# KiCad board PAMI_Mainboard_2024_v1.kicad_pcb
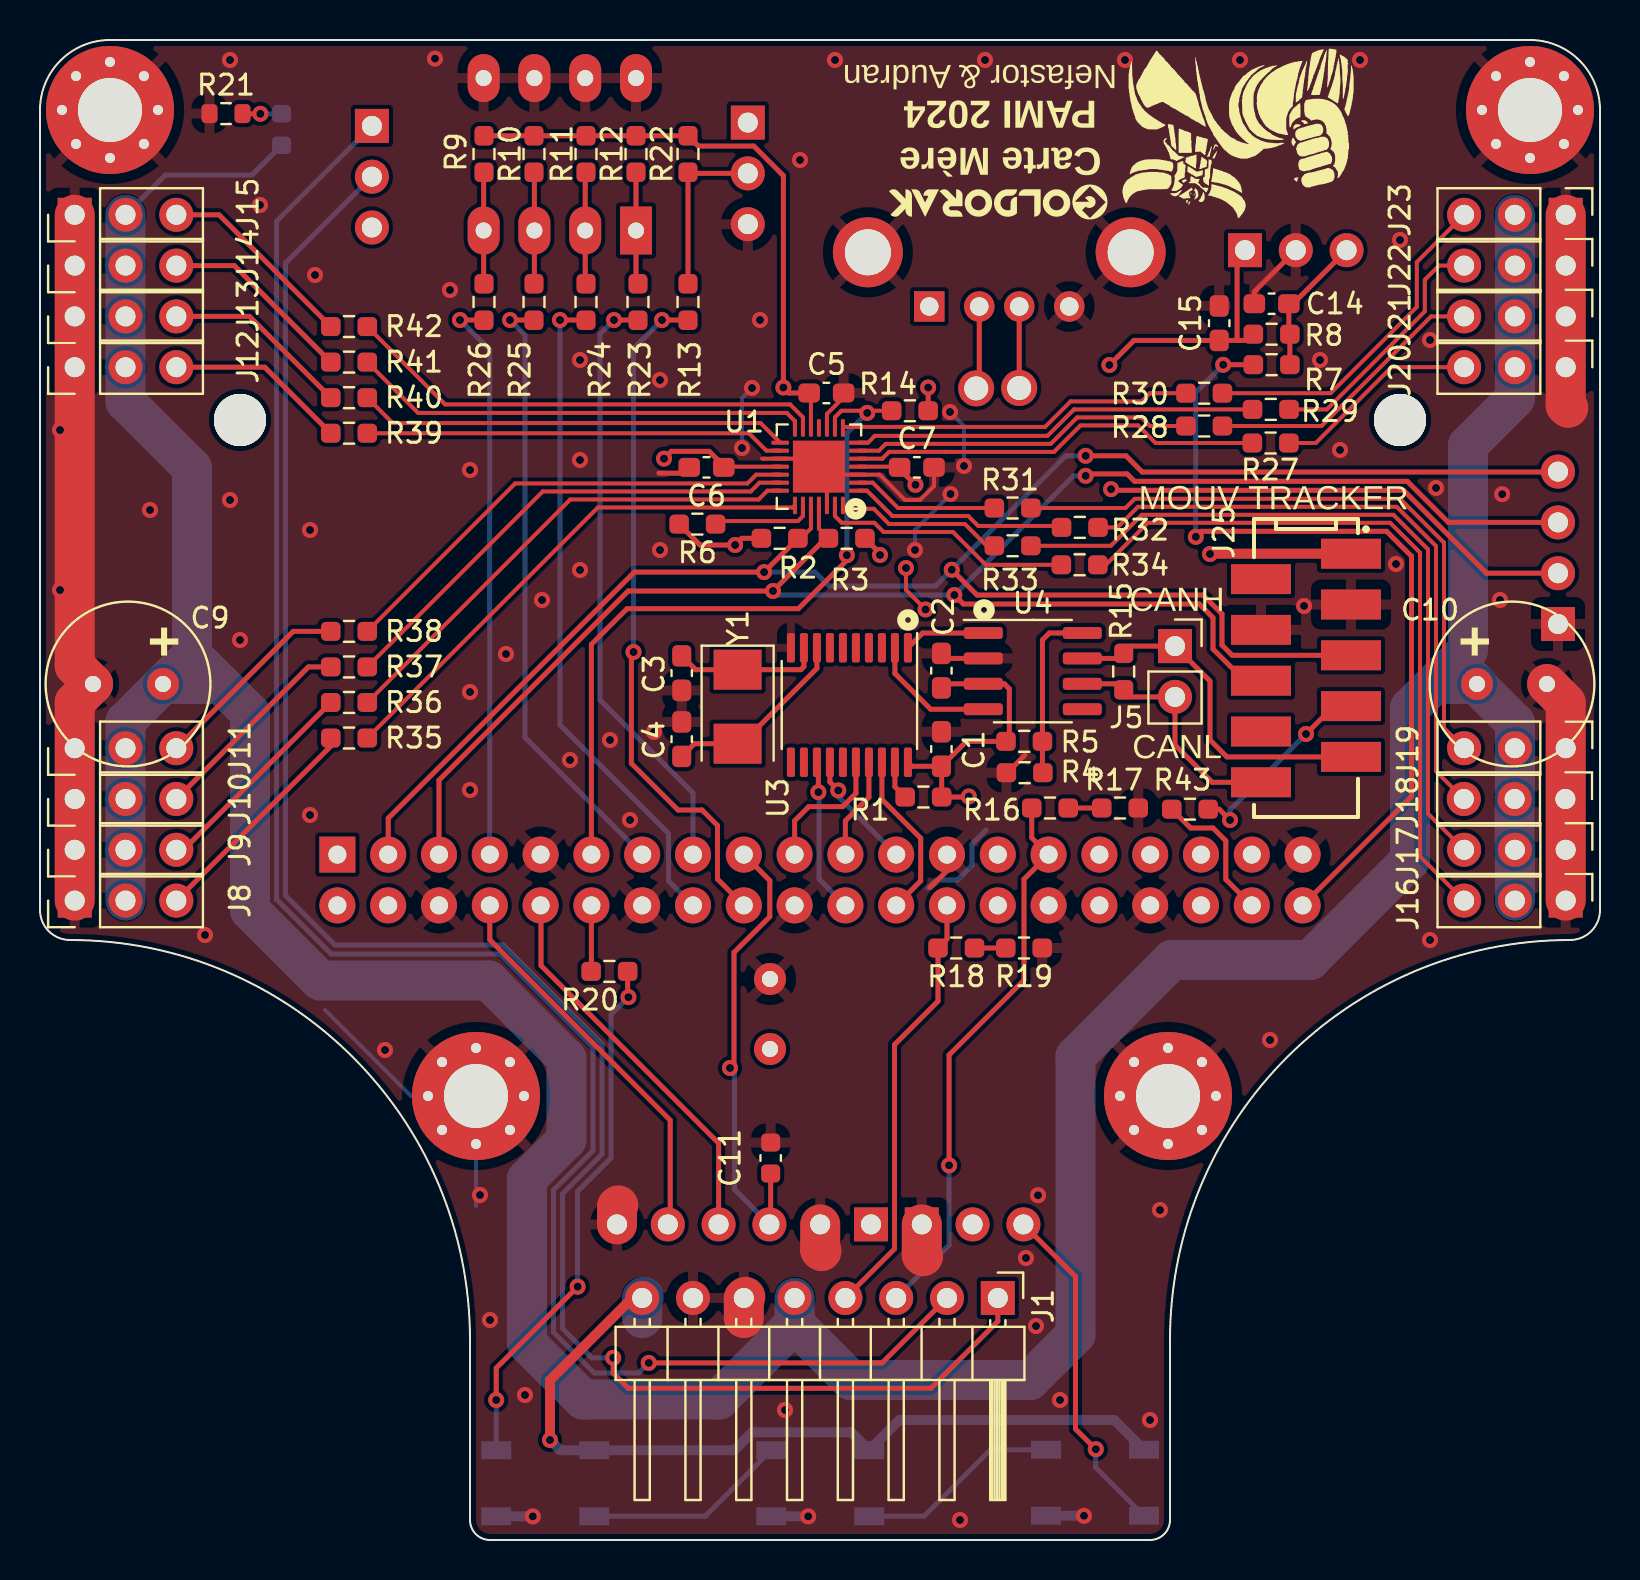
[diagram p0: board, top side]
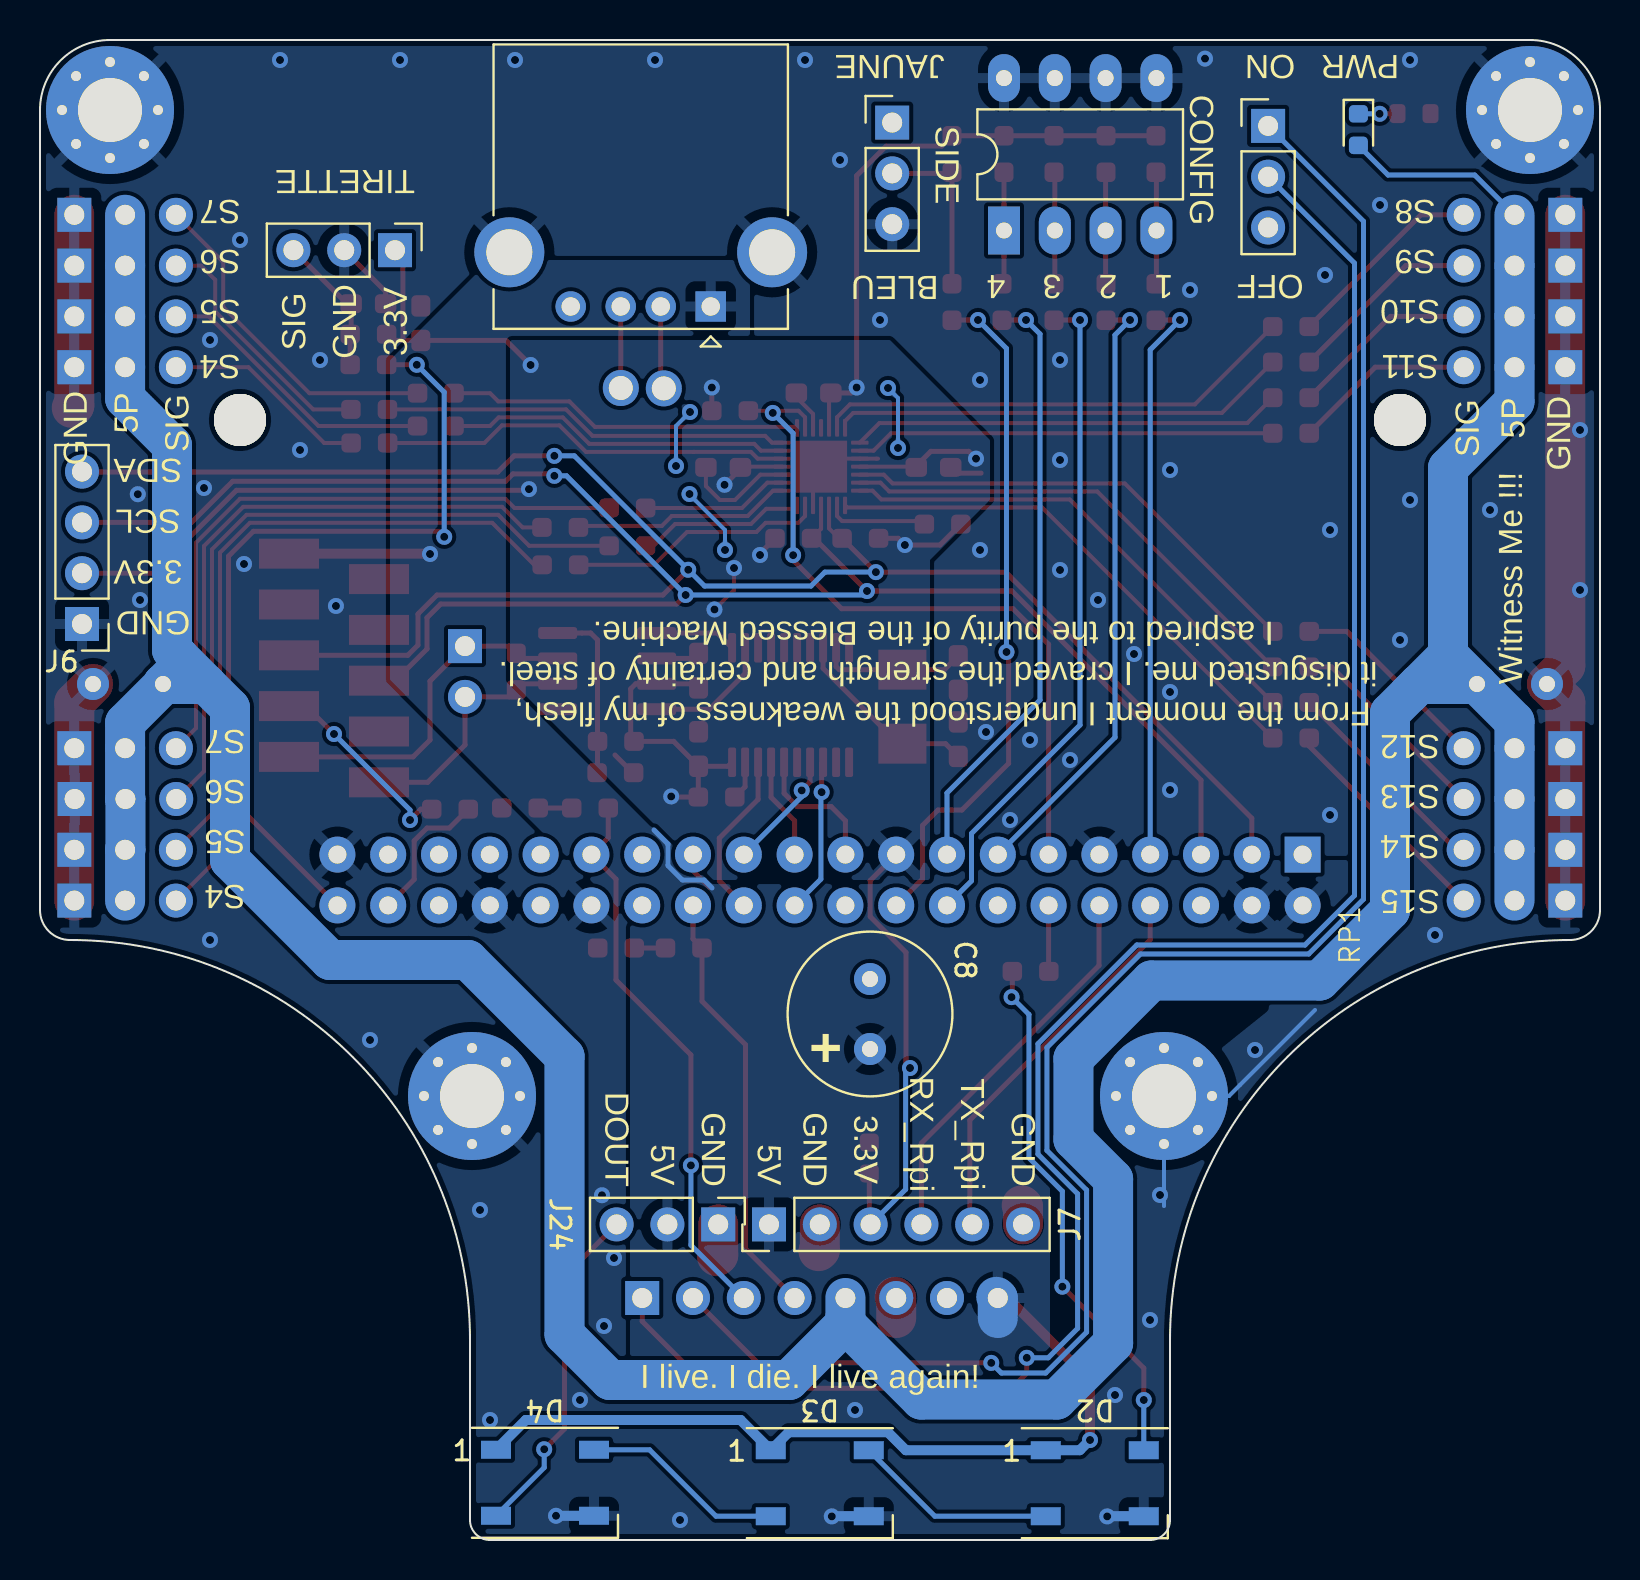
[diagram p1: board, bottom side, seen from below]

Outline 78 x 75 mm; copper layers: Top, Bottom. Coordinates in mm from the lower left corner of the outline.
Outline path: 0,71.5 0,31.5 arc(0.44,30.44) 1.5,30 arc(15.64,24.14) 21.5,10 21.5,1 arc(21.79,0.29) 22.5,0 55.5,0 arc(56.21,0.29) 56.5,1 56.5,10 arc(62.36,24.14) 76.5,30 arc(77.56,30.44) 78,31.5 78,71.5 arc(76.97,73.97) 74.5,75 3.5,75 arc(1.03,73.97) 0,71.5
Stack: Top 0.035mm / dielectric 1.51mm FR4 er 4.5 / Bottom 0.035mm

## Placement (name value [footprint] x y rotation side)
C1  100nF  [C_0603_1608Metric_Pad1.08x0.95mm_HandSolder]  45.07 39.55 90 top
C2  100nF  [C_0603_1608Metric_Pad1.08x0.95mm_HandSolder]  45.07 43.47 90 top
C3  22pF  [C_0603_1608Metric_Pad1.08x0.95mm_HandSolder]  32.09 40.04 90 top
C4  22pF  [C_0603_1608Metric_Pad1.08x0.95mm_HandSolder]  32.09 43.34 270 top
C5  100nF  [C_0603_1608Metric_Pad1.08x0.95mm_HandSolder]  39.32 57.35 0 top
C6  100nF  [C_0603_1608Metric_Pad1.08x0.95mm_HandSolder]  33.32 53.63 180 top
C7  100nF  [C_0603_1608Metric_Pad1.08x0.95mm_HandSolder]  43.84 53.63 0 top
C8  470uF  [C_Radial_D8.0mm_H11.5mm_P3.50mm]  36.5 24.55 90 bottom
C9  470uF  [C_Radial_D8.0mm_H11.5mm_P3.50mm]  6.15 42.8 180 top
C10  470uF  [C_Radial_D8.0mm_H11.5mm_P3.50mm]  71.85 42.8 0 top
C11  100nF  [C_0603_1608Metric]  36.53 19.1 90 top
C14  100nF  [C_0603_1608Metric_Pad1.08x0.95mm_HandSolder]  61.58 61.81 180 top
C15  100nF  [C_0603_1608Metric_Pad1.08x0.95mm_HandSolder]  58.96 60.84 90 top
D1  LED  [LED_0603_1608Metric]  12.08 70.52 270 bottom
D2  WS2812B  [LED_WS2812B_PLCC4_5.0x5.0mm_P3.2mm]  25.26 2.84 180 bottom
D3  WS2812B  [LED_WS2812B_PLCC4_5.0x5.0mm_P3.2mm]  39.01 2.84 180 bottom
D4  WS2812B  [LED_WS2812B_PLCC4_5.0x5.0mm_P3.2mm]  52.75 2.86 180 bottom
G***  -  [LOGO]  60 70.25 180 top
G***#2  -  [LOGO]  47.89 66.9 180 top
H1  MountingHole_Pad  [MountingHole_3.2mm_M3_Pad_Via]  21.8 22.2 0 top
H2  MountingHole_Pad  [MountingHole_3.2mm_M3_Pad_Via]  56.4 22.2 0 top
H3  MountingHole_Pad  [MountingHole_3.2mm_M3_Pad_Via]  74.5 71.5 0 top
H4  MountingHole_Pad  [MountingHole_3.2mm_M3_Pad_Via]  3.5 71.5 0 top
J1  Conn_01x08  [PinHeader_1x08_P2.54mm_Horizontal]  47.89 12.1 270 top
J2  Conn_01x03  [PinHeader_1x03_P2.54mm_Vertical]  60.25 64.49 270 bottom
J3  USB_A  [USB_A_CONNFLY_DS1095-WNR0]  44.46 61.68 0 bottom
J4  Conn_01x03  [PinHeader_1x03_P2.54mm_Vertical]  35.39 70.87 180 bottom
J5  Conn_01x02  [PinSocket_1x02_P2.54mm_Vertical]  56.75 44.69 0 top
J6  Conn_01x04  [PinHeader_1x04_P2.54mm_Vertical]  75.9 45.8 0 bottom
J7  Conn_01x03  [PinHeader_1x03_P2.54mm_Vertical]  44.09 15.78 270 bottom
J8  Conn_01x03  [PinHeader_1x03_P2.54mm_Vertical]  1.74 31.97 90 top
J9  Conn_01x03  [PinHeader_1x03_P2.54mm_Vertical]  1.74 34.51 90 top
J10  Conn_01x03  [PinHeader_1x03_P2.54mm_Vertical]  1.74 37.05 90 top
J11  Conn_01x03  [PinHeader_1x03_P2.54mm_Vertical]  1.74 39.59 90 top
J12  Conn_01x03  [PinHeader_1x03_P2.54mm_Vertical]  1.74 58.64 90 top
J13  Conn_01x03  [PinHeader_1x03_P2.54mm_Vertical]  1.74 61.18 90 top
J14  Conn_01x03  [PinHeader_1x03_P2.54mm_Vertical]  1.74 63.72 90 top
J15  Conn_01x03  [PinHeader_1x03_P2.54mm_Vertical]  1.74 66.26 90 top
J16  Conn_01x03  [PinHeader_1x03_P2.54mm_Vertical]  76.28 31.97 270 top
J17  Conn_01x03  [PinHeader_1x03_P2.54mm_Vertical]  76.28 34.51 270 top
J18  Conn_01x03  [PinHeader_1x03_P2.54mm_Vertical]  76.27 37.05 270 top
J19  Conn_01x03  [PinHeader_1x03_P2.54mm_Vertical]  76.28 39.59 270 top
J20  Conn_01x03  [PinHeader_1x03_P2.54mm_Vertical]  76.28 58.64 270 top
J21  Conn_01x03  [PinHeader_1x03_P2.54mm_Vertical]  76.28 61.18 270 top
J22  Conn_01x03  [PinHeader_1x03_P2.54mm_Vertical]  76.28 63.72 270 top
J23  Conn_01x03  [PinHeader_1x03_P2.54mm_Vertical]  76.28 66.26 270 top
J24  Conn_01x06  [PinHeader_1x06_P2.54mm_Vertical]  41.55 15.78 90 bottom
J25  Conn_02x05_Odd_Even  [690367281076]  63.3 43.6 270 top
R1  10K  [R_0603_1608Metric_Pad0.98x0.95mm_HandSolder]  44.17 37.15 0 top
R2  10K  [R_0603_1608Metric_Pad0.98x0.95mm_HandSolder]  36.98 50.08 180 top
R3  10K  [R_0603_1608Metric_Pad0.98x0.95mm_HandSolder]  40.34 50.08 0 top
R4  10K  [R_0603_1608Metric_Pad0.98x0.95mm_HandSolder]  49.21 39.93 180 top
R5  10K  [R_0603_1608Metric_Pad0.98x0.95mm_HandSolder]  49.23 38.36 0 top
R6  10K  [R_0603_1608Metric_Pad0.98x0.95mm_HandSolder]  32.87 50.8 180 top
R7  68  [R_0603_1608Metric_Pad0.98x0.95mm_HandSolder]  61.58 58.77 180 top
R8  10K  [R_0603_1608Metric_Pad0.98x0.95mm_HandSolder]  61.58 60.29 180 top
R9  10K  [R_0603_1608Metric_Pad0.98x0.95mm_HandSolder]  22.2 69.3 90 top
R10  10K  [R_0603_1608Metric_Pad0.98x0.95mm_HandSolder]  24.7 69.3 90 top
R11  10K  [R_0603_1608Metric_Pad0.98x0.95mm_HandSolder]  27.3 69.3 90 top
R12  10K  [R_0603_1608Metric_Pad0.98x0.95mm_HandSolder]  29.8 69.3 90 top
R13  1K  [R_0603_1608Metric_Pad0.98x0.95mm_HandSolder]  32.4 61.9 270 top
R14  10K  [R_0603_1608Metric_Pad0.98x0.95mm_HandSolder]  43.5 56.46 0 top
R15  120  [R_0603_1608Metric_Pad0.98x0.95mm_HandSolder]  54.18 43.42 90 top
R16  10K  [R_0603_1608Metric_Pad0.98x0.95mm_HandSolder]  50.5 36.6 180 top
R17  10K  [R_0603_1608Metric_Pad0.98x0.95mm_HandSolder]  54 36.6 180 top
R18  10K  [R_0603_1608Metric_Pad0.98x0.95mm_HandSolder]  45.81 29.6 180 top
R19  10K  [R_0603_1608Metric_Pad0.98x0.95mm_HandSolder]  49.2 29.6 180 top
R20  68  [R_0603_1608Metric_Pad0.98x0.95mm_HandSolder]  28.47 28.43 180 top
R21  1K  [R_0603_1608Metric]  9.3 71.32 0 top
R22  10K  [R_0603_1608Metric_Pad0.98x0.95mm_HandSolder]  32.4 69.3 90 top
R23  1K  [R_0603_1608Metric_Pad0.98x0.95mm_HandSolder]  29.9 61.9 270 top
R24  1K  [R_0603_1608Metric_Pad0.98x0.95mm_HandSolder]  27.3 61.9 270 top
R25  1K  [R_0603_1608Metric_Pad0.98x0.95mm_HandSolder]  24.7 61.9 270 top
R26  1K  [R_0603_1608Metric_Pad0.98x0.95mm_HandSolder]  22.2 61.9 270 top
R27  1K  [R_0603_1608Metric_Pad0.98x0.95mm_HandSolder]  61.53 54.85 0 top
R28  1K  [R_0603_1608Metric_Pad0.98x0.95mm_HandSolder]  58.21 55.7 0 top
R29  1K  [R_0603_1608Metric_Pad0.98x0.95mm_HandSolder]  61.54 56.53 0 top
R30  1K  [R_0603_1608Metric_Pad0.98x0.95mm_HandSolder]  58.21 57.34 0 top
R31  1K  [R_0603_1608Metric_Pad0.98x0.95mm_HandSolder]  48.63 51.6 0 top
R32  1K  [R_0603_1608Metric_Pad0.98x0.95mm_HandSolder]  51.99 50.63 0 top
R33  1K  [R_0603_1608Metric_Pad0.98x0.95mm_HandSolder]  48.63 49.71 0 top
R34  1K  [R_0603_1608Metric_Pad0.98x0.95mm_HandSolder]  51.98 48.76 0 top
R35  1K  [R_0603_1608Metric_Pad0.98x0.95mm_HandSolder]  15.45 40.1 0 top
R36  1K  [R_0603_1608Metric_Pad0.98x0.95mm_HandSolder]  15.45 41.88 0 top
R37  1K  [R_0603_1608Metric_Pad0.98x0.95mm_HandSolder]  15.45 43.65 0 top
R38  1K  [R_0603_1608Metric_Pad0.98x0.95mm_HandSolder]  15.45 45.43 0 top
R39  1K  [R_0603_1608Metric_Pad0.98x0.95mm_HandSolder]  15.45 55.34 0 top
R40  1K  [R_0603_1608Metric_Pad0.98x0.95mm_HandSolder]  15.45 57.12 0 top
R41  1K  [R_0603_1608Metric_Pad0.98x0.95mm_HandSolder]  15.45 58.89 0 top
R42  1K  [R_0603_1608Metric_Pad0.98x0.95mm_HandSolder]  15.45 60.67 0 top
R43  68  [R_0603_1608Metric_Pad0.98x0.95mm_HandSolder]  57.5 36.54 180 top
RP1  ~  [Raspberry_Pi_Zero]  39 33 270 bottom
RP_USB1  ~  [Raspberry_Pi_Zero_USB_Pads]  71.5 59.5 270 bottom
SW1  SW_DIP_x04  [DIP-8_W7.62mm_LongPads]  29.8 65.47 90 bottom
SW2  SW_DPST_x2  [PinHeader_1x03_P2.54mm_Vertical]  16.59 70.7 180 bottom
U1  ~  [QFN-28-1EP_4x4mm_P0.4mm_EP2.6x2.6mm_ThermalVias]  38.95 53.67 180 top
U3  MCP2515-xST  [TSSOP-20_4.4x6.5mm_P0.65mm]  40.47 41.75 270 top
U4  MCP2551-I-SN  [SOIC-8_3.9x4.9mm_P1.27mm]  49.64 43.44 0 top
Y1  16 MHz  [Crystal_SMD_5032-2Pin_5.0x3.2mm]  34.88 41.67 270 top

## Library data of the parts
C1-C7 C14 C15 = -: Description: Unpolarized capacitor
C8-C10 = -: Description: Polarized capacitor, small symbol
C11 = -: Description: Unpolarized capacitor; Max voltage: 50V
D1 = -: Description: Light emitting diode
D2-D4 = -: Description: RGB LED with integrated controller
H1-H4 = -: Description: Mounting Hole with connection
J1 = -: Description: Generic connector, single row, 01x08, script generated (kicad-library-utils/schlib/autogen/connector/)
J2 J4 J7-J23 = -: Description: Generic connector, single row, 01x03, script generated (kicad-library-utils/schlib/autogen/connector/)
J3 = -: Description: USB Type A connector
J5 = -: Description: Generic connector, single row, 01x02, script generated (kicad-library-utils/schlib/autogen/connector/)
J6 = -: Description: Generic connector, single row, 01x04, script generated (kicad-library-utils/schlib/autogen/connector/)
J24 = -: Description: Generic connector, single row, 01x06, script generated (kicad-library-utils/schlib/autogen/connector/)
J25 = -: Description: Generic connector, double row, 02x05, odd/even pin numbering scheme (row 1 odd numbers, row 2 even numbers), script generated (kicad-library-utils/schlib/autogen/connector/)
R1-R43 = -: Description: Resistor
SW1 = -: Description: 4x DIP Switch, Single Pole Single Throw (SPST) switch, small symbol
SW2 = -: Description: Single Pole Single Throw (SPST) switch, separate symbol
U3 = -: Description: Stand-Alone CAN Controller with SPI Interface, TSSOP-20
U4 = -: Description: High-Speed CAN Transceiver, 1Mbps, 5V supply, SOIC-8
Y1 = -: Description: Two pin crystal

## Footprints (pads in the part's own frame, mm; a bottom-side part is the same pattern mirrored in y, then rotated)
690367281076
  rect 1.5x3 smd: 1(-5.715,2.25) 2(-4.445,-2.25) 3(-3.175,2.25) 4(-1.905,-2.25) 5(-0.635,2.25) 6(0.635,-2.25) 7(1.905,2.25) 8(3.175,-2.25) 9(4.445,2.25) 10(5.715,-2.25)
C_0603_1608Metric
  rrect 0.9x0.95 smd: 1(-0.775,0) 2(0.775,0)
C_0603_1608Metric_Pad1.08x0.95mm_HandSolder
  rrect 1.075x0.95 smd: 1(-0.863,0) 2(0.863,0)
C_Radial_D8.0mm_H11.5mm_P3.50mm
  round 1.6 hole 0.8: 1(0,0) 2(3.5,0)
Crystal_SMD_5032-2Pin_5.0x3.2mm
  rect 2x2.4 smd: 1(-1.85,0) 2(1.85,0)
DIP-8_W7.62mm_LongPads
  rect 2.4x1.6 hole 0.8: 1(0,0)
  oval 2.4x1.6 hole 0.8: 2(0,-2.54) 3(0,-5.08) 4(0,-7.62) 5(7.62,-7.62) 6(7.62,-5.08) 7(7.62,-2.54) 8(7.62,0)
LED_0603_1608Metric
  rrect 0.875x0.95 smd: 1(-0.787,0) 2(0.787,0)
LED_WS2812B_PLCC4_5.0x5.0mm_P3.2mm
  rect 1.5x0.9 smd: 1(-2.45,1.65) 2(-2.45,-1.65) 3(2.45,-1.65) 4(2.45,1.65)
MountingHole_3.2mm_M3_Pad_Via
  round 0.8 hole 0.5: 1(-2.4,0) 1(-1.697,1.697) 1(-1.697,-1.697) 1(0,2.4) 1(0,-2.4) 1(1.697,1.697) 1(1.697,-1.697) 1(2.4,0)
  round 6.4 hole 3.2: 1(0,0)
PinHeader_1x03_P2.54mm_Vertical
  rect 1.7x1.7 hole 1: 1(0,0)
  oval 1.7x1.7 hole 1: 2(0,-2.54) 3(0,-5.08)
PinHeader_1x04_P2.54mm_Vertical
  rect 1.7x1.7 hole 1: 1(0,0)
  oval 1.7x1.7 hole 1: 2(0,-2.54) 3(0,-5.08) 4(0,-7.62)
PinHeader_1x06_P2.54mm_Vertical
  rect 1.7x1.7 hole 1: 1(0,0)
  oval 1.7x1.7 hole 1: 2(0,-2.54) 3(0,-5.08) 4(0,-7.62) 5(0,-10.16) 6(0,-12.7)
PinHeader_1x08_P2.54mm_Horizontal
  rect 1.7x1.7 hole 1: 1(0,0)
  oval 1.7x1.7 hole 1: 2(0,-2.54) 3(0,-5.08) 4(0,-7.62) 5(0,-10.16) 6(0,-12.7) 7(0,-15.24) 8(0,-17.78)
PinSocket_1x02_P2.54mm_Vertical
  rect 1.7x1.7 hole 1: 1(0,0)
  oval 1.7x1.7 hole 1: 2(0,-2.54)
QFN-28-1EP_4x4mm_P0.4mm_EP2.6x2.6mm_ThermalVias
  rrect 1.13x1.13 smd: (-0.65,0.65) (-0.65,-0.65) (0.65,0.65) (0.65,-0.65)
  rrect 0.875x0.2 smd: 1(-1.938,1.2) 2(-1.938,0.8) 3(-1.938,0.4) 4(-1.938,0) 5(-1.938,-0.4) 6(-1.938,-0.8) 7(-1.938,-1.2) 15(1.938,-1.2) 16(1.938,-0.8) 17(1.938,-0.4) 18(1.938,0) 19(1.938,0.4) 20(1.938,0.8) 21(1.938,1.2)
  rrect 0.2x0.875 smd: 8(-1.2,-1.938) 9(-0.8,-1.938) 10(-0.4,-1.938) 11(0,-1.938) 12(0.4,-1.938) 13(0.8,-1.938) 14(1.2,-1.938) 22(1.2,1.938) 23(0.8,1.938) 24(0.4,1.938) 25(0,1.938) 26(-0.4,1.938) 27(-0.8,1.938) 28(-1.2,1.938)
  rect 2.6x2.6 smd: 29(0,0)
R_0603_1608Metric
  rrect 0.8x0.95 smd: 1(-0.825,0) 2(0.825,0)
R_0603_1608Metric_Pad0.98x0.95mm_HandSolder
  rrect 0.975x0.95 smd: 1(-0.912,0) 2(0.912,0)
Raspberry_Pi_Zero
  round 2.6 hole 2.6 unplated: (-23,-29) (-23,29)
  rect 1.8x1.8 hole 0.9: 1(-1.27,24.13)
  round 1.8 hole 0.9: 2(1.27,24.13) 3(-1.27,21.59) 4(1.27,21.59) 5(-1.27,19.05) 6(1.27,19.05) 7(-1.27,16.51) 8(1.27,16.51) 9(-1.27,13.97) 10(1.27,13.97) 11(-1.27,11.43) 12(1.27,11.43) 13(-1.27,8.89) 14(1.27,8.89) 15(-1.27,6.35) 16(1.27,6.35) 17(-1.27,3.81) 18(1.27,3.81) 19(-1.27,1.27) 20(1.27,1.27) 21(-1.27,-1.27) 22(1.27,-1.27) 23(-1.27,-3.81) 24(1.27,-3.81) 25(-1.27,-6.35) 26(1.27,-6.35) 27(-1.27,-8.89) 28(1.27,-8.89) 29(-1.27,-11.43) 30(1.27,-11.43) 31(-1.27,-13.97) 32(1.27,-13.97) 33(-1.27,-16.51) 34(1.27,-16.51) 35(-1.27,-19.05) 36(1.27,-19.05) 37(-1.27,-21.59) 38(1.27,-21.59) 39(-1.27,-24.13) 40(1.27,-24.13)
Raspberry_Pi_Zero_USB_Pads
  round 2.6 hole 2.6 unplated: (3.5,3.5) (3.5,61.5)
  round 1.8 hole 1.2: 1(1.9,22.54) 2(1.92,24.69)
SOIC-8_3.9x4.9mm_P1.27mm
  rrect 1.95x0.6 smd: 1(-2.475,1.905) 2(-2.475,0.635) 3(-2.475,-0.635) 4(-2.475,-1.905) 5(2.475,-1.905) 6(2.475,-0.635) 7(2.475,0.635) 8(2.475,1.905)
TSSOP-20_4.4x6.5mm_P0.65mm
  rrect 1.475x0.4 smd: 1(-2.862,2.925) 2(-2.862,2.275) 3(-2.862,1.625) 4(-2.862,0.975) 5(-2.862,0.325) 6(-2.862,-0.325) 7(-2.862,-0.975) 8(-2.862,-1.625) 9(-2.862,-2.275) 10(-2.862,-2.925) 11(2.862,-2.925) 12(2.862,-2.275) 13(2.862,-1.625) 14(2.862,-0.975) 15(2.862,-0.325) 16(2.862,0.325) 17(2.862,0.975) 18(2.862,1.625) 19(2.862,2.275) 20(2.862,2.925)
USB_A_CONNFLY_DS1095-WNR0
  rect 1.524x1.524 hole 0.92: 1(0,0)
  round 1.524 hole 0.92: 2(2.5,0) 3(4.5,0) 4(7,0)
  round 3.5 hole 2.3: 5(-3.07,-2.71) 5(10.07,-2.71)

## Nets
+3.3VP: C1.1 C2.1 C5.1 C6.1 C7.1 C11.1 C15.1 J2.1 J6.2 J24.3 R1.2 R2.2 R3.2 R4.2 R6.2 R8.2 R9.2 R10.2 R11.2 R12.2 R14.2 R22.2 RP1.17 U1.4 U1.12 U1.18 U3.20 U4.3
+5V: C8.1 D2.1 D3.1 D4.1 J1.8 J3.1 J7.2 J24.1 J25.1 RP1.2 RP1.4
GND: C1.2 C2.2 C3.2 C4.2 C5.2 C6.2 C7.2 C8.2 C9.2 C10.2 C11.2 C14.2 C15.2 D2.3 D3.3 D4.3 H1.1 H2.1 H3.1 H4.1 J1.6 J1.7 J2.2 J3.4 J3.5 J4.3 J6.1 J7.1 J8.1 J9.1 J10.1 J11.1 J12.1 J13.1 J14.1 J15.1 J16.1 J17.1 J18.1 J19.1 J20.1 J21.1 J22.1 J23.1 J24.2 J24.6 J25.3 J25.4 R5.1 R17.1 R19.1 R21.1 RP1.6 RP1.9 RP1.14 RP1.20 RP1.25 RP1.30 RP1.34 RP1.39 SW1.5 SW1.6 SW1.7 SW1.8 U1.3 U1.10 U1.17 U1.26 U1.29 U3.10 U4.2
+5P: C9.1 C10.1 D1.2 J1.5 J8.2 J9.2 J10.2 J11.2 J12.2 J13.2 J14.2 J15.2 J16.2 J17.2 J18.2 J19.2 J20.2 J21.2 J22.2 J23.2
/ALIM_EN_5L: J1.1 SW2.2
/CAN/CANH: J5.1 J25.9 R15.2 U4.7
/CAN/CANL: J5.2 J25.10 R15.1 U4.6
/CAN/CE: RP1.24 U3.18
/CAN/MISO: RP1.21 U3.17
/CAN/MOSI: RP1.19 U3.16
/CAN/SCK: RP1.23 U3.14
/CaptTOR_1: J1.4 R18.2 RP1.26
/CaptTOR_2: J1.3 R16.2 RP1.29
/EN_5L: J1.2 SW2.1
/INT_CAN: RP1.22 U3.13
/INT_SX: R14.1 RP1.11 U1.9
/MouvT_INT: R43.2 RP1.38
/SCL1: J6.3 J25.6 R3.1 RP1.5 U1.25
/SDA1: J6.4 J25.5 R2.1 RP1.3 U1.24
/SIDE: R13.2 RP1.18
/SX1509/SX_IO_0: R34.1 U1.27
/SX1509/SX_IO_1: R33.1 U1.28
/SX1509/SX_IO_2: R32.1 U1.1
/SX1509/SX_IO_3: R31.1 U1.2
/SX1509/SX_IO_4: R27.1 U1.5
/SX1509/SX_IO_5: R28.1 U1.6
/SX1509/SX_IO_6: R29.1 U1.7
/SX1509/SX_IO_7: R30.1 U1.8
/SX1509/SX_IO_8: R42.2 U1.13
/SX1509/SX_IO_9: R41.2 U1.14
/SX1509/SX_IO_10: R40.2 U1.15
/SX1509/SX_IO_11: R39.2 U1.16
/SX1509/SX_IO_12: R38.2 U1.19
/SX1509/SX_IO_13: R37.2 U1.20
/SX1509/SX_IO_14: R36.2 U1.21
/SX1509/SX_IO_15: R35.2 U1.22
/TIRETTE: R7.2 RP1.40
/WS2812B: R20.2 RP1.12
Net-(D1-K): D1.1 R21.2
Net-(D2-DIN): D2.4 R20.1
Net-(D2-DOUT): D2.2 D3.4
Net-(D3-DOUT): D3.2 D4.4
Net-(D4-DOUT): D4.2 J7.3
Net-(J2-Pin_3): C14.1 J2.3 R7.1 R8.1
Net-(J3-D+): J3.3 RP_USB1.1
Net-(J3-D-): J3.2 RP_USB1.2
Net-(J4-Pin_2): J4.2 R13.1 R22.1
Net-(J8-Pin_3): J8.3 R35.1
Net-(J9-Pin_3): J9.3 R36.1
Net-(J10-Pin_3): J10.3 R37.1
Net-(J11-Pin_3): J11.3 R38.1
Net-(J12-Pin_3): J12.3 R39.1
Net-(J13-Pin_3): J13.3 R40.1
Net-(J14-Pin_3): J14.3 R41.1
Net-(J15-Pin_3): J15.3 R42.1
Net-(J16-Pin_3): J16.3 R34.2
Net-(J17-Pin_3): J17.3 R33.2
Net-(J18-Pin_3): J18.3 R32.2
Net-(J19-Pin_3): J19.3 R31.2
Net-(J20-Pin_3): J20.3 R27.2
Net-(J21-Pin_3): J21.3 R28.2
Net-(J22-Pin_3): J22.3 R29.2
Net-(J23-Pin_3): J23.3 R30.2
Net-(J24-Pin_4): J24.4 RP1.10
Net-(J24-Pin_5): J24.5 RP1.8
Net-(J25-Pin_7): J25.7 R43.1
Net-(R10-Pad1): R10.1 R25.1 SW1.3
Net-(R11-Pad1): R11.1 R24.1 SW1.2
Net-(R12-Pad1): R12.1 R23.1 SW1.1
Net-(R16-Pad1): R16.1 R17.2
Net-(R18-Pad1): R18.1 R19.2
Net-(R26-Pad1): R9.1 R26.1 SW1.4
Net-(RP1-GPIO4/GPCLK0): R26.2 RP1.7
Net-(RP1-GPIO22): R23.2 RP1.15
Net-(RP1-GPIO23): R24.2 RP1.16
Net-(RP1-GPIO27): R25.2 RP1.13
Net-(U1-RESET): R6.1 U1.23
Net-(U3-OSC1): C4.1 U3.9 Y1.1
Net-(U3-OSC2): C3.1 U3.8 Y1.2
Net-(U3-RXCAN): U3.2 U4.4
Net-(U3-TXCAN): U3.1 U4.1
Net-(U3-~{RESET}): R1.1 U3.19
Net-(U4-Rs): R4.1 R5.2 U4.8

Pads without a net: J4 1; J25 2 8; RP1 1 27 28 31 32 33 35 36 37; SW2 3; U1 11; U3 3 4 5 6 7 11 12 15; U4 5

## Via types
v1: diameter 0.8, hole 0.4, Top to Bottom, 108 vias

## Routing (per net, layer and track width the routed paths; a pad name or vN(x,y) marks a point on that pad's centre or on a via; arc(x,y) is an arc through that point)
+3.3VP: length 123.8
  Top w0.2: U1.4 42.94,53.67 C7.1 ; v1(43.3,48.6) 43.3,47.5 v1(44.28,46.53) ; U1.18 34.22,53.67 C6.1 ; U1.12 38.55,57.35 ; 38.15,57.4 38.46,57.09
  Top w0.25: 34.22,53.67 33.46,54.43 31.56,54.43 v1(31.2,54.07) ; v1(43.77,52.76) 42.98,53.55 C7.1 ; 59.85,59.98 C15.1 54.7,59.98 v1(53.47,58.75) ; 59.85,59.98 60.35,59.98 R8.2 ; 59.85,59.98 59.85,59.98 59.85,64.1 J2.1 ; v1(42,49.25) 42,49.33 R3.2 ; C2.1 45.28,42.81 U4.3 48.21,42.81 48.47,42.56 48.47,40.1 R4.2 46.32,39.93 C1.1 43.6,38.69 U3.20 ; R6.2 33,49.75 v1(34.76,49.75) 35.09,50.08 R2.2 ; v1(53.55,52.54) 53.61,52.48 68.18,52.48 72.32,48.34 J6.2 ; C5.1 37.44,57.35 v1(37.17,57.62) 37.17,68.21 35.69,69.7 32.92,69.7 R22.2 R12.2 R11.2 R10.2 R9.2 ; R14.2 v1(44.41,57.62) ; C11.1 36.53,15.84 J24.3 ; RP1.17 36.49,32.97 36.49,31.17 34.7,29.38 34.7,23.8 v1(34.5,23.6) ; 46.57,37.04 v1(46.44,37.18) 46.41,37.15 R1.2 45.08,38.67
  Bottom w0.25: v1(34.5,23.6) 34.72,23.38 34.72,17.53 J24.3
+5V: length 54.1
  Top w0.5: J25.1 58.51,49.31 v1(58.5,49.3) ; v1(25.5,5) 25.5,7.99 29.61,12.1 J1.8
  Bottom w0.25: 47.3,35.5 46.6,34.8 46.6,33.72 45.88,33 44.79,33 44.39,32.6
  Bottom w0.5: v1(25.5,5) 26.01,4.49 D2.1 34.71,4.49 35.61,5.39 40.56,5.39 D3.1 42.97,6 53.71,6 D4.1
  Bottom w2: 30.18,12.16 30.11,12.08 30.11,11.1
GND: length 115.7
  Top w0.2: U1.29 39.35,53.27 U1.26 ; U1.10 39.35,56.3 40.18,57.14 C5.2 ; 37.9,53.67 37.9,54.02 37.85,54.07 U1.17 36.1,54.07 ; 40,53.67 40,53.31 40.04,53.27 U1.3 41.98,53.27 43.25,52 44,52 44.7,52.7 C7.2
  Top w0.25: 48.36,38.36 49.25,39.25 ; 63.13,46.78 v1(63.2,46.7) ; J2.2 60.72,62.42 C14.2 ; RP1.25 45.35,33.46 44.51,32.63 ; 47.58,44.08 U4.2 45.32,44.08 C2.2 ; C6.2 32.17,53.34 30.95,53.34 ; R21.1 8.3,71.5
  Top w2: J15.1 1.74,43.71 C9.2 1.74,41.89 J8.1 ; C10.2 76.28,41.86 J16.1 ; 35.26,12.16 35.19,12.08 35.19,11.1 ; 28.91,16.73 28.85,16.67 J24.6 ; J23.1 76.28,56.73 76.41,56.61 ; J7.1 44.09,14.25 44.15,14.19 ; 39.07,14.44 39.01,14.51 J24.2
  Bottom w0.2: v1(46.2,53.7) 46.2,55.7 v1(45.5,56.4) ; v1(35.6,57.6) 35.1,57.1 v1(35.1,54.6) ; 14.25,26.5 18.55,22.2 H1.1 21.8,16.7 ; v1(45.53,52.3) 45.53,52.28 43.75,50.5 v1(43.75,49.5)
  Bottom w0.5: v1(24.64,1.18) 24.63,1.19 D2.3 ; v1(38.41,1.18) 38.4,1.19 D3.3 ; D4.3 v1(52.2,1.21)
  vias: v1(1,55.5) v1(1,47.5) v1(5.5,51.5) v1(8.25,30.25) v1(9.5,74) v1(9.5,52) v1(10,45) v1(11,66.75) v1(13.5,50.5) v1(13.5,36.25) v1(13.75,63.25) v1(17.25,24.5) v1(19.75,74.07) v1(20.5,62.5) v1(21.5,53.5) v1(21.5,42.4) v1(21.5,37.5) v1(22,17.25) v1(22.5,11) v1(23.3,44.3) v1(24.25,7.25) v1(25.1,47) v1(26.5,39) v1(27,59) v1(27,54) v1(27,48.5) v1(28.5,40) v1(29.5,36) v1(30.7,40.4) v1(31,58) v1(31,49.5) v1(36,61) v1(37.25,6.5) v1(38,69) v1(39.75,74) v1(46,1) v1(47.25,74) v1(49.3,14.1) v1(49.8,10.7) v1(49.9,17.24) v1(51,7) v1(54.25,74) v1(55.5,6) v1(56,16.5) v1(60,74) v1(61.5,25) v1(64,59) v1(65,54.5) v1(66,74) v1(67.8,48.8) v1(68,65) v1(69.5,60) v1(69.5,30) v1(69.8,52.6) v1(73,47) v1(73.11,52.29)
+5P: length 215.9
  Bottom w0.25: J15.2 6.27,68.25 10.6,68.25 D1.2
  Bottom w2: J23.2 J22.2 J21.2 J20.2 73.75,57.08 71.4,54.73 71.4,44.5 71.1,44.2 ; J15.2 J14.2 J13.2 J12.2 4.28,56.92 7.6,53.6 7.6,44.25 ; C9.1 4.28,40.93 J11.2 J10.2 J9.2 J8.2 ; C9.1 7.6,44.25 ; C9.1 9.05,42.8 9.53,42.33 ; 9.53,42.33 10.5,41.35 10.5,31.49 14.01,27.97 22.42,27.97 26.33,24.07 26.33,20.03 24.34,18.05 24.34,9.84 27.17,7.02 33.94,7.02 37.73,10.81 ; 9.53,42.33 7.6,44.25 ; C10.1 71.1,43.55 71.1,44.2 ; C10.1 69.7,42.8 ; C10.1 71.85,42.75 73.75,40.86 J19.2 73.75,37.06 J18.2 73.73,34.53 J17.2 J16.2 ; 71.1,44.2 69.7,42.8 ; 69.7,42.8 68.5,41.6 68.5,34 63.5,29 56.6,29 51.77,24.18 51.77,10.27 49.5,8 40.54,8 37.73,10.81 ; 37.73,10.81 J1.5
/ALIM_EN_5L: length 97.7
  Top w0.25: J1.1 47.89,10.93 44.54,7.59 29.41,7.59 28.66,8.34 v1(28.66,9.11)
  Bottom w0.25: v1(28.66,9.11) 27.59,9.11 26.12,10.58 26.12,17.31 28.1,19.29 28.1,24.81 23.16,29.75 14.75,29.75 12.28,32.22 12.28,63.84 SW2.2
/CAN/CANH: length 17.7
  Top w0.25: U4.7 53.93,44.08 R15.2 54.55,44.69 J5.1 58.5,42.94 58.5,40 59.34,39.16 J25.9
/CAN/CANL: length 12.4
  Top w0.25: J25.10 58.62,37.89 56.75,39.75 J5.2 54.54,42.15 R15.1 53.88,42.81 U4.6
/CAN/CE: length 8.5
  Top w0.25: U3.18 42.1,37.03 44.03,35.09 44.03,32.95 RP1.24
/CAN/MISO: length 5.1
  Top w0.25: RP1.21 40.27,35.96 41.45,37.14 U3.17
/CAN/MOSI: length 6.9
  Top w0.25: U3.16 40.8,37.34 40.13,36.67 38.44,36.67 37.73,35.96 RP1.19
/CAN/SCK: length 6
  Top w0.25: U3.14 39.5,37.9 v1(39.91,37.48)
  Bottom w0.25: RP1.23 39.91,37.17 v1(39.91,37.48)
/CaptTOR_1: length 21.7
  Top w0.25: RP1.26 45.35,30.05 R18.2 44.9,26.94 42.72,24.77 42.72,14.56 J1.4
/CaptTOR_2: length 28
  Top w0.25: v1(45.46,18.73) 45.46,24.25 49.2,28 49.2,33.04 RP1.29 49.59,35.11 R16.2
  Bottom w0.25: J1.3 45.46,14.75 v1(45.46,18.73) 45.42,18.76
/EN_5L: length 96.7
  Top w0.25: v1(30.44,8.86) 42.11,8.86 J1.2
  Bottom w0.25: SW2.1 11.83,65.94 11.83,32.04 14.56,29.3 22.97,29.3 27.65,24.62 27.65,19.48 25.67,17.5 25.67,10.39 27.71,8.35 29.93,8.35 v1(30.44,8.86)
/INT_CAN: length 8
  Top w0.25: v1(38.92,37.39) 38.92,38.81 U3.13
  Bottom w0.25: RP1.22 38.96,33.05 38.96,37.36 v1(38.92,37.39) 39.07,37.24
/INT_SX: length 36.4
  Top w0.2: U1.9 39.75,56.14 40.07,56.46 41.25,56.46 v1(41.36,56.35) 41.47,56.46 R14.1
  Top w0.25: RP1.11 27.57,44.79 29.35,46.56 37.92,46.56 40.34,48.99 v1(40.34,49.24)
  Bottom w0.25: v1(41.36,56.35) 40.34,55.34 v1(40.34,49.24)
/MouvT_INT: length 7.1
  Top w0.25: R43.2 57.53,35.6 58.65,35.6 59.29,34.96 59.29,33.03 RP1.38
/SCL1: length 90.9
  Top w0.2: R3.1 38.95,50.56 U1.25
  Top w0.25: v1(45.72,47.25) 46.17,46.8 57.96,46.8 58.65,46.11 58.65,44.55 60.24,42.97 J25.6 ; J6.3 70.42,50.88 68.37,52.93 54.73,52.93 54.35,53.31 52.38,53.31 v1(52.28,53.21) ; RP1.5 19.95,37.99 29.41,47.45 v1(36.65,47.45) 39.28,50.08 R3.1
  Bottom w0.25: v1(36.65,47.45) 36.85,47.25 v1(45.72,47.25) 51.68,53.21 v1(52.28,53.21)
/SDA1: length 95.8
  Top w0.2: R2.1 38.05,50.08 38.55,50.58 U1.24
  Top w0.25: J25.5 59.61,44.23 59.1,44.75 59.1,46.3 58.15,47.25 46.85,47.25 v1(45.59,48.51) ; RP1.3 17.41,36.09 29.72,48.39 v1(36.21,48.39) R2.1 ; v1(52.28,54.21) 54.3,54.21 55.11,53.4 75.88,53.4 J6.4
  Bottom w0.25: v1(36.21,48.39) 38.76,48.39 39.45,47.7 44.78,47.7 v1(45.59,48.51) 51.28,54.21 v1(52.28,54.21)
/SIDE: length 34.2
  Top w0.25: v1(31.1,61) 32.39,61 R13.2 ; v1(29.68,44.4) 29.57,44.29 29.57,38.83 31.9,36.5 33.1,36.5 33.88,35.72 33.88,33.05 RP1.18
  Bottom w0.25: v1(31.1,61) 29.68,59.58 v1(29.68,44.4)
/SX1509/SX_IO_0: length 12.9
  Top w0.2: R34.1 47.29,48.76 45.65,50.4 42.18,50.4 41.72,50.86 40.09,50.86 39.75,51.2 U1.27
/SX1509/SX_IO_1: length 8.4
  Top w0.2: U1.28 40.32,51.56 41.69,51.56 42.45,50.8 46.24,50.8 47.33,49.71 R33.1
/SX1509/SX_IO_2: length 11
  Top w0.2: U1.1 41.35,52.47 42.62,51.2 46.41,51.2 46.91,50.7 51,50.7 R32.1
/SX1509/SX_IO_3: length 7.4
  Top w0.2: U1.2 41.63,52.87 42.9,51.6 R31.1
/SX1509/SX_IO_4: length 20.8
  Top w0.2: R27.1 55.78,54.85 54.9,55.73 52.03,55.73 50.7,54.4 45.31,54.4 45.31,54.41 42.46,54.41 42.12,54.07 U1.5
/SX1509/SX_IO_5: length 17.3
  Top w0.2: R28.1 55.5,55.7 55.07,56.13 51.86,56.13 50.54,54.81 42.29,54.81 41.95,54.47 U1.6
/SX1509/SX_IO_6: length 20.4
  Top w0.2: U1.7 41.4,54.87 41.74,55.21 50.37,55.21 51.7,56.53 R29.1
/SX1509/SX_IO_7: length 17.9
  Top w0.2: U1.8 40.2,55.65 50.25,55.65 51.53,56.93 55.09,56.93 55.5,57.34 R30.1
/SX1509/SX_IO_8: length 24.2
  Top w0.2: U1.13 38.15,56.14 37.5,56.78 20.26,56.78 R42.2
/SX1509/SX_IO_9: length 22.9
  Top w0.2: U1.14 37.75,55.63 37.75,55.95 37.34,56.35 18.9,56.35 R41.2
/SX1509/SX_IO_10: length 21.6
  Top w0.2: R40.2 17.63,55.85 36.03,55.85 U1.15
/SX1509/SX_IO_11: length 21
  Top w0.2: U1.16 36.32,54.47 35.45,55.34 R39.2
/SX1509/SX_IO_12: length 23.9
  Top w0.2: R38.2 23.76,52.83 35.37,52.83 35.81,53.27 U1.19
/SX1509/SX_IO_13: length 24.5
  Top w0.2: R37.2 25.14,52.43 35.54,52.43 35.98,52.87 U1.20
/SX1509/SX_IO_14: length 25
  Top w0.2: U1.21 36.37,52.47 35.93,52.03 26.52,52.03 R36.2
/SX1509/SX_IO_15: length 26.2
  Top w0.2: U1.22 37.64,51.63 27.89,51.63 R35.2
/TIRETTE: length 41.8
  Top w0.25: RP1.40 68.57,37.17 68.57,49.19 67.33,50.43 58.06,50.43 v1(57.79,50.16) ; R7.2 59.17,58.77 v1(59.16,58.76)
  Bottom w0.25: v1(57.79,50.16) 57.79,57.39 v1(59.16,58.76)
/WS2812B: length 3.3
  Top w0.25: R20.2 27.57,28.44 RP1.12
Net-(D1-K): length 2
  Top w0.25: v1(11.02,71.31) 10.14,71.31 R21.2
  Bottom w0.25: v1(11.02,71.31) 11.02,71.31 D1.1
Net-(D2-DIN): length 26.7
  Top w0.25: v1(22.81,7) 22.81,8.59 v1(26.88,12.67) ; R20.1 29.38,27.18 v1(29.42,27.14)
  Bottom w0.25: v1(29.42,27.14) 28.55,26.27 28.55,19.11 26.88,17.44 v1(26.88,12.67) ; v1(22.81,7) D2.4
Net-(D2-DOUT): length 10.2
  Bottom w0.25: D3.4 33.26,1.19 D2.2
Net-(D3-DOUT): length 10.2
  Bottom w0.25: D4.4 47.52,4.51 44.2,1.19 D3.2
Net-(D4-DOUT): length 17.1
  Top w0.25: v1(52.79,4.54) 51.77,5.55 51.77,13.18 J7.3
  Bottom w0.25: D4.2 52.79,3.62 v1(52.79,4.54)
Net-(J2-Pin_3): length 7.1
  Top w0.25: R7.1 R8.1 62.44,60.34 C14.1 62.65,61.81 J2.3
Net-(J3-D+): length 4.1
  Top w0.25: J3.3 48.96,61.67 RP_USB1.1
Net-(J3-D-): length 4.2
  Top w0.25: J3.2 46.96,57.73 RP_USB1.2
Net-(J4-Pin_2): length 8.6
  Top w0.25: R13.1 R22.1 32.46,68.33 35.39,68.33
Net-(J8-Pin_3): length 11.3
  Top w0.25: J8.3 14.54,39.69 R35.1
Net-(J9-Pin_3): length 10.8
  Top w0.25: J9.3 7.17,34.51 R36.1
Net-(J10-Pin_3): length 10.5
  Top w0.25: R37.1 13.42,43.65 J10.3
Net-(J11-Pin_3): length 10.1
  Top w0.25: J11.3 12.66,45.43 R38.1
Net-(J12-Pin_3): length 9.1
  Top w0.25: J12.3 11.24,58.64 R39.1
Net-(J13-Pin_3): length 9.4
  Top w0.25: J13.3 10.48,61.18 R40.1
Net-(J14-Pin_3): length 9.7
  Top w0.25: R41.1 9.71,63.72 J14.3
Net-(J15-Pin_3): length 10
  Top w0.25: J15.3 8.95,66.26 R42.1
Net-(J16-Pin_3): length 35.9
  Top w0.2: J16.3 69,34.17 69,49.37 67.51,50.86 55.39,50.86 53.29,48.76 R34.2
Net-(J17-Pin_3): length 37
  Top w0.2: J17.3 69.4,36.31 69.4,49.53 67.67,51.26 55.09,51.26 53.54,49.71 R33.2
Net-(J18-Pin_3): length 31.4
  Top w0.2: R32.2 53.87,50.63 54.9,51.66 67.84,51.66 69.8,49.7 69.8,38.44 J18.3
Net-(J19-Pin_3): length 32.4
  Top w0.2: R31.2 54.27,51.6 54.73,52.06 68,52.06 70.2,49.86 70.2,40.59 J19.3
Net-(J20-Pin_3): length 10.3
  Top w0.2: J20.3 67.58,58.64 63.79,54.85 R27.2
Net-(J21-Pin_3): length 14.4
  Top w0.2: R28.2 64.07,55.7 69.55,61.18 J21.3
Net-(J22-Pin_3): length 12.7
  Top w0.2: J22.3 69.95,63.72 69.24,63.01 69.24,61.43 64.34,56.53 R29.2
  Top w0.25: 71.2,63.72 J22.3
Net-(J23-Pin_3): length 17.1
  Top w0.2: R30.2 64.53,57.34 68.84,61.65 68.84,63.89 J23.3
Net-(J24-Pin_4): length 19.6
  Top w0.25: RP1.10 25.05,31.71 25.05,28.72 33.93,19.84 J24.4
Net-(J24-Pin_5): length 19.7
  Top w0.25: RP1.8 22.49,30.01 31.51,20.99 31.51,15.9 J24.5
Net-(J25-Pin_7): length 10
  Top w0.25: v1(63.3,40.3) 64.69,41.69 J25.7 ; R43.1 58.96,36.54 v1(59.5,36)
  Bottom w0.25: v1(59.5,36) 59.5,36.5 v1(63.3,40.3)
Net-(R10-Pad1): length 5.6
  Top w0.25: R10.1 24.72,68.37 SW1.3 24.72,62.83 R25.1
Net-(R11-Pad1): length 5.6
  Top w0.25: R24.1 27.26,62.85 SW1.2 27.26,68.35 R11.1
Net-(R12-Pad1): length 5.6
  Top w0.25: R12.1 SW1.1 29.8,62.91 R23.1
Net-(R16-Pad1): length 1.7
  Top w0.25: R16.1 R17.2
Net-(R18-Pad1): length 1.6
  Top w0.25: R18.1 R19.2
Net-(R26-Pad1): length 5.6
  Top w0.25: R9.1 22.18,68.37 SW1.4 22.18,62.83 R26.1
Net-(RP1-GPIO4/GPCLK0): length 28.6
  Top w0.25: R26.2 22.19,61 v1(21,61)
  Bottom w0.25: RP1.7 22.49,59.51 v1(21,61)
Net-(RP1-GPIO22): length 30.2
  Top w0.25: v1(28.7,61) 29.89,61 R23.2
  Bottom w0.25: v1(28.7,61) 28,60.3 28,42 32.65,37.35 RP1.15
Net-(RP1-GPIO23): length 33.3
  Top w0.25: R24.2 27.29,61 v1(26,61)
  Bottom w0.25: v1(26,61) 26,40.75 31.43,35.33 31.43,32.95 RP1.16
Net-(RP1-GPIO27): length 30.7
  Top w0.25: R25.2 24.69,61 v1(23.5,61)
  Bottom w0.25: v1(23.5,61) 24.25,60.25 24.25,40.13 RP1.13
Net-(U1-RESET): length 5.1
  Top w0.2: R6.1 33.93,50.95 37.9,50.95 38.15,51.2 U1.23
Net-(U3-OSC1): length 7.4
  Top w0.25: U3.9 38.2,43.67 38.04,43.52 Y1.1 32.78,43.52 C4.1
Net-(U3-OSC2): length 9.6
  Top w0.25: C3.1 32.72,39.82 Y1.2 35.08,39.82 38.85,43.58 U3.8
Net-(U3-RXCAN): length 6.4
  Top w0.25: U4.4 44.53,41.54 42.75,43.33 U3.2
Net-(U3-TXCAN): length 4.1
  Top w0.25: U4.1 44.13,45.35 U3.1
Net-(U3-~{RESET}): length 1.9
  Top w0.25: R1.1 42.75,37.66 U3.19
Net-(U4-Rs): length 8.8
  Top w0.25: R5.2 50.12,38.39 R4.1 50.12,45 50.47,45.35 U4.8

## Copper pours and planes (outline as drawn; the poured copper is in the pictures)
+3.3VP on Bottom: 35.5,60 54.5,60 54.5,43 44.5,33 33.5,33 33.5,49 30.5,52 30.5,55
+5V on Bottom: 55.5,64 42.5,64 42.5,34 12.5,34 12.5,30 27.5,18 27.5,8.1 48.5,8.1 48.5,31 60.5,43 60.5,59
GND on Top, Bottom: 78.5,75 78.5,0 -0.5,0 -0.5,75

## Text on the board
B.Silkscreen: GND | Witness Me !!! | 3.3V | I live. I die. I live again! | CONFIG | TX_Rpi | SIDE | RX_Rpi | 5V | DOUT | S8 | S9 | S10 | S11 | S12 | S13 | S14 | S15 | PWR | ON | OFF | 1    2    3    4 | From the moment I understood the weakness of my flesh, / it disgusted me. I craved the strength and certainty of steel. / I aspired to the purity of the Blessed Machine. | BLEU | JAUNE | TIRETTE | S7 | S6 | S5 | S4 | SDA | SCL | 5P | SIG | +
User.Comments: Déplacer le connecteur tirette dans cet angle
F.Silkscreen: CANH | CANL | MOUV TRACKER | Nefastor & Audran | Carte Mère / PAMI 2024 | +
